# Altium PCB UltraZOhm_CarrierBoard.PcbDoc (part 2 of 12) (continued)
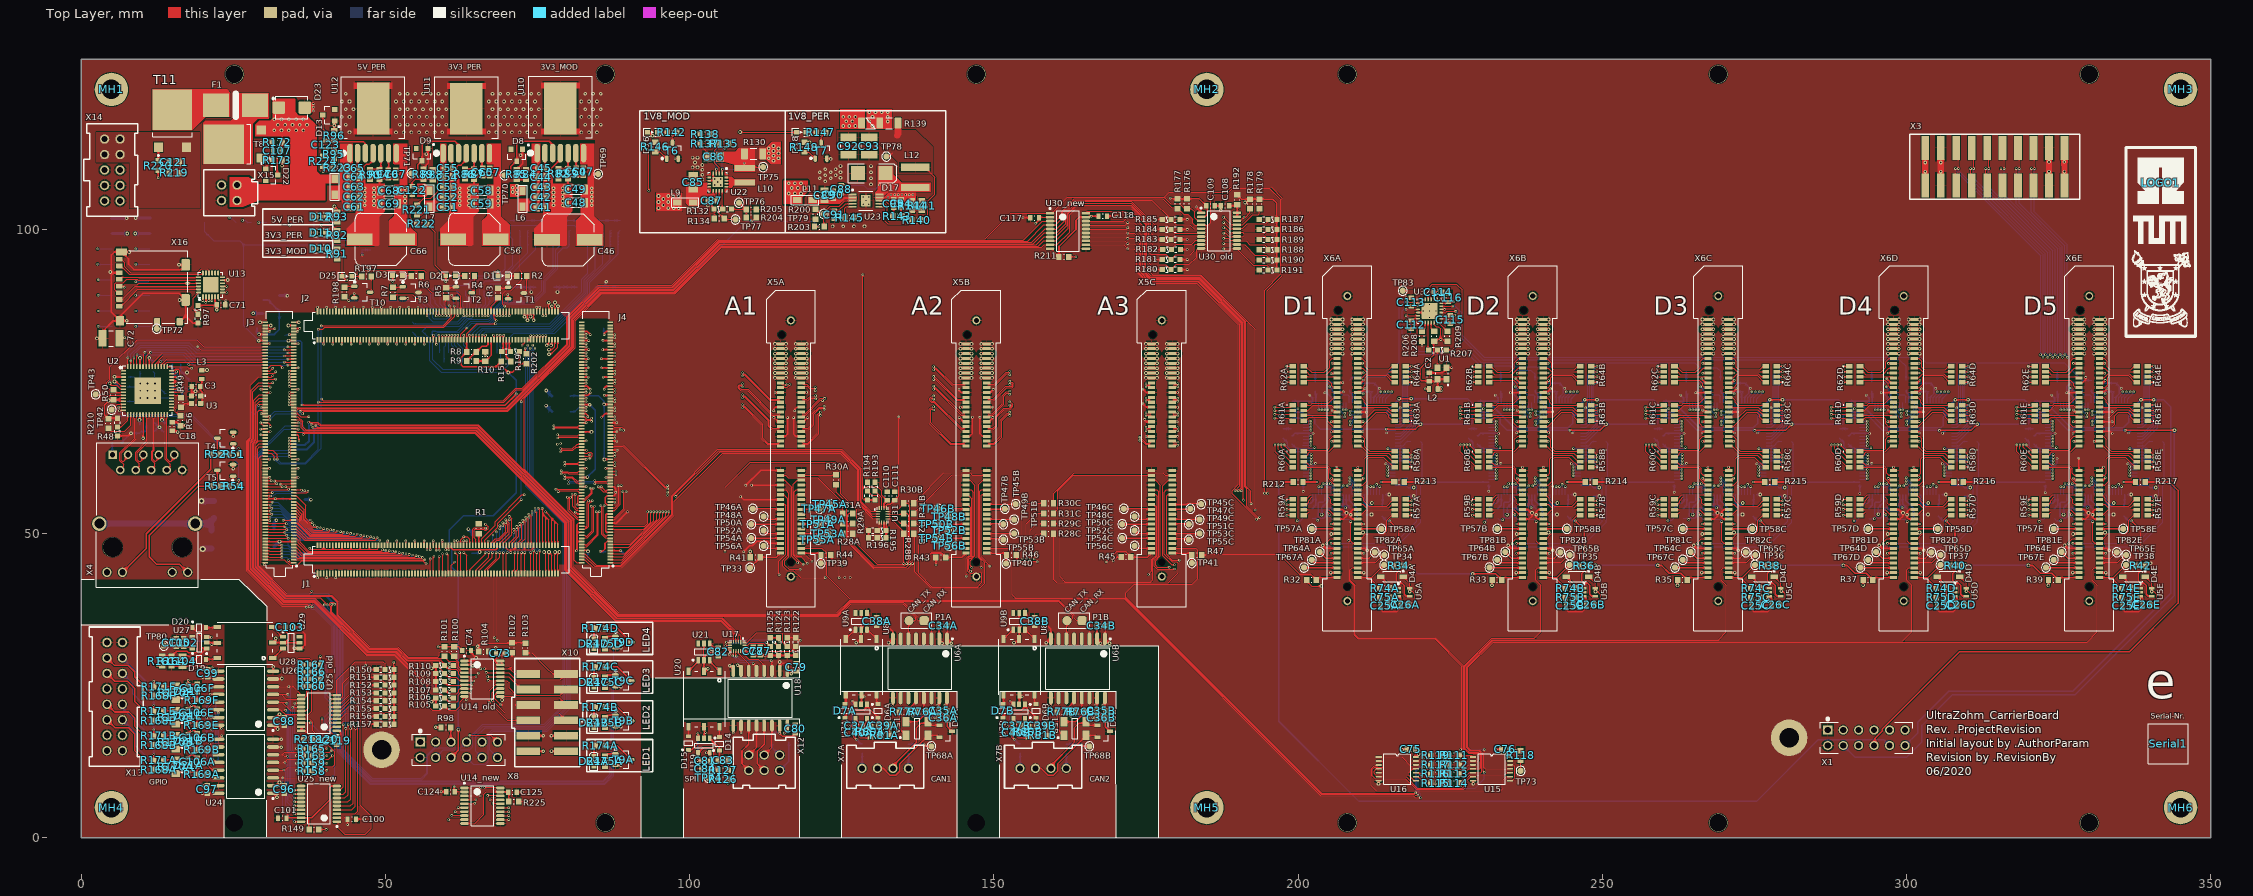
[diagram p0: Top Layer view]
## Components (designator, comment, footprint, x,y, rotation, side; value= is the part's Value field where it differs from the comment) (continued)
TP63B "Testpoint 1mm" TP_1MM 240.157,52.558 r270 bottom (schematic designator TP63)
TP63C "Testpoint 1mm" TP_1MM 270.637,52.558 r270 bottom (schematic designator TP63)
TP63D "Testpoint 1mm" TP_1MM 301.117,52.558 r270 bottom (schematic designator TP63)
TP63E "Testpoint 1mm" TP_1MM 331.597,52.558 r270 bottom (schematic designator TP63)
TP64A "Testpoint 1mm" TP_1MM 202.238,45.712 r90 top (schematic designator TP64)
TP64B "Testpoint 1mm" TP_1MM 232.718,45.712 r90 top (schematic designator TP64)
TP64C "Testpoint 1mm" TP_1MM 263.198,45.712 r90 top (schematic designator TP64)
TP64D "Testpoint 1mm" TP_1MM 293.678,45.712 r90 top (schematic designator TP64)
TP64E "Testpoint 1mm" TP_1MM 324.158,45.712 r90 top (schematic designator TP64)
TP65A "Testpoint 1mm" TP_1MM 214.15,46.5 r90 top (schematic designator TP65)
TP65B "Testpoint 1mm" TP_1MM 244.63,46.5 r90 top (schematic designator TP65)
TP65C "Testpoint 1mm" TP_1MM 275.11,46.5 r90 top (schematic designator TP65)
TP65D "Testpoint 1mm" TP_1MM 305.59,46.5 r90 top (schematic designator TP65)
TP65E "Testpoint 1mm" TP_1MM 336.07,46.5 r90 top (schematic designator TP65)
TP66A "Testpoint 1mm" TP_1MM 208.661,54.082 r270 bottom (schematic designator TP66)
TP66B "Testpoint 1mm" TP_1MM 239.141,54.082 r270 bottom (schematic designator TP66)
TP66C "Testpoint 1mm" TP_1MM 269.621,54.082 r270 bottom (schematic designator TP66)
TP66D "Testpoint 1mm" TP_1MM 300.101,54.082 r270 bottom (schematic designator TP66)
TP66E "Testpoint 1mm" TP_1MM 330.581,54.082 r270 bottom (schematic designator TP66)
TP67A "Testpoint 1mm" TP_1MM 200.968,44.442 r90 top (schematic designator TP67)
TP67B "Testpoint 1mm" TP_1MM 231.448,44.442 r90 top (schematic designator TP67)
TP67C "Testpoint 1mm" TP_1MM 261.928,44.442 r90 top (schematic designator TP67)
TP67D "Testpoint 1mm" TP_1MM 292.408,44.442 r90 top (schematic designator TP67)
TP67E "Testpoint 1mm" TP_1MM 322.888,44.442 r90 top (schematic designator TP67)
TP68A "Testpoint 1mm" TP_1MM 139.739,15.054 r0 top (schematic designator TP68)
TP68B "Testpoint 1mm" TP_1MM 165.691,15.054 r0 top (schematic designator TP68)
TP69 "Testpoint 1mm" TP_1MM 84.972,109.1 r180 top
TP70 "Testpoint 1mm" TP_1MM 69.569,108.9 r180 top
TP71 "Testpoint 1mm" TP_1MM 54.293,109.225 r180 top
TP72 "Testpoint 1mm" TP_1MM 12.445,83.679 r180 top
TP73 "Testpoint 1mm" TP_1MM 236.561,11.027 r90 top
TP74 "Testpoint 1mm" TP_1MM 103.122,9.883 r0 top
TP75 "Testpoint 1mm" TP_1MM 112.091,110.246 r90 top
TP76 "Testpoint 1mm" TP_1MM 108.112,104.386 r90 top
TP77 "Testpoint 1mm" TP_1MM 107.544,101.636 r90 top
TP78 "Testpoint 1mm" TP_1MM 132.335,111.973 r90 top
TP79 "Testpoint 1mm" TP_1MM 122.048,102.55 r90 top
TP80 "Testpoint 1mm" TP_1MM 13.604,31.602 r270 top
TP81A "Testpoint 1mm" TP_1MM 203.549,47 r90 top (schematic designator TP81)
TP81B "Testpoint 1mm" TP_1MM 234.029,47 r90 top (schematic designator TP81)
TP81C "Testpoint 1mm" TP_1MM 264.509,47 r90 top (schematic designator TP81)
TP81D "Testpoint 1mm" TP_1MM 294.989,47 r90 top (schematic designator TP81)
TP81E "Testpoint 1mm" TP_1MM 325.469,47 r90 top (schematic designator TP81)
TP82A "Testpoint 1mm" TP_1MM 212.599,46.95 r90 top (schematic designator TP82)
TP82B "Testpoint 1mm" TP_1MM 243.079,46.95 r90 top (schematic designator TP82)
TP82C "Testpoint 1mm" TP_1MM 273.559,46.95 r90 top (schematic designator TP82)
TP82D "Testpoint 1mm" TP_1MM 304.039,46.95 r90 top (schematic designator TP82)
TP82E "Testpoint 1mm" TP_1MM 334.519,46.95 r90 top (schematic designator TP82)
TP83 "Testpoint 1mm" TP_1MM 217.18,89.923 r270 top
U1 "SiT8924, 4 MHz" 2520_SITIME 223.644,76.329 r180 top
U2 "88E1512-A0-NNP2I000" QFN50P800X800X100-57N 10.935,73.505 r0 top
U3 "SiT8008, 25 MHz" 2016 18.9,72.001 r270 top
U4A "LA4128V-75TN100E" TQFP100_N 208.407,63.988 r0 bottom (schematic designator U4)
U4B "LA4128V-75TN100E" TQFP100_N 238.887,63.988 r0 bottom (schematic designator U4)
U4C "LA4128V-75TN100E" TQFP100_N 269.367,63.988 r0 bottom (schematic designator U4)
U4D "LA4128V-75TN100E" TQFP100_N 299.847,63.988 r0 bottom (schematic designator U4)
U4E "LA4128V-75TN100E" TQFP100_N 330.327,63.988 r0 bottom (schematic designator U4)
U5A "74AHC1G14GW,125" NXP-SOT353-1_N 217.405,40.378 r0 top (schematic designator U5)
U5B "74AHC1G14GW,125" NXP-SOT353-1_N 247.885,40.378 r0 top (schematic designator U5)
U5C "74AHC1G14GW,125" NXP-SOT353-1_N 278.365,40.378 r0 top (schematic designator U5)
U5D "74AHC1G14GW,125" NXP-SOT353-1_N 308.845,40.378 r0 top (schematic designator U5)
U5E "74AHC1G14GW,125" NXP-SOT353-1_N 339.325,40.378 r0 top (schematic designator U5)
U6A "MAX14878" SOIC-16_WIDE-BODY 137.854,27.87 r270 top (schematic designator U6)
U6B "MAX14878" SOIC-16_WIDE-BODY 163.807,27.87 r270 top (schematic designator U6)
U7A "LT1761-BYP" SOT23-5_L 128.202,20.758 r270 top (schematic designator U7)
U7B "LT1761-BYP" SOT23-5_L 154.155,20.758 r270 top (schematic designator U7)
U8A "760390015" WE-760390015 130.742,32.696 r270 top (schematic designator U8)
U8B "760390015" WE-760390015 156.695,32.696 r270 top (schematic designator U8)
U9A "SN6505BDBVT" TI_SOT23_6-LEADS 128.202,35.592 r90 top (schematic designator U9)
U9B "SN6505BDBVT" TI_SOT23_6-LEADS 154.155,35.592 r90 top (schematic designator U9)
U10 "171050601" 7TO-PMOD 78.769,118.249 r90 top
U11 "171050601" 7TO-PMOD 63.315,118.225 r90 top
U12 "171050601" 7TO-PMOD 47.989,118.237 r90 top
U13 "TXS02612RTWR" QFN50P400X400X80-25N-255 21.275,90.899 r90 top
U14_new "TXS0108EQPWRQ1" TI_PW_R-PDSO-G20_N 65.95,5.3 r0 top locked
U14_old "LSF0108-Q1" TI_PW_R-PDSO-G20_N 65.95,26.175 r0 top
U15 "74HC32A" TSSOP14 228.941,13.313 r0 top
U16 "74HC32A" TSSOP14 213.447,13.313 r0 top
U17 "SN74AVC4T774" QFN40P260X180X55-16N 107.821,31.473 r270 top
U18 "ADUM4401" ADI-RW-16_L 111.631,22.964 r270 top
U19 "LT1761-BYP" SOT23-5_L 102.36,15.217 r270 top
U20 "760390015" WE-760390015 104.9,27.409 r270 top
U21 "SN6505BDBVT" TI_SOT23_6-LEADS 102.36,30.584 r90 top
U22 "TPS62097-Q1" QFN-16_TI 104.623,107.782 r270 top
U23 "TPS54260-Q1" TSOP-10_DGQ0010D_N 128.982,104.734 r0 top
U24 "ADUM4402" ADI-RW-16_L 27.066,11.784 r180 top
U25_new "TXS0108EQPWRQ1" TI_PW_R-PDSO-G20_N 39.1,5.6 r180 top locked
U25_old "LSF0108-Q1" TI_PW_R-PDSO-G20_N 39.106,20.547 r180 top
U26 "ADUM4402" ADI-RW-16_L 27.066,22.96 r180 top
U27 "LT1761-BYP" SOT23-5_L 19.446,32.11 r180 top
U28 "760390015" WE-760390015 31.509,29.551 r180 top
U29 "SN6505BDBVT" TI_SOT23_6-LEADS 34.557,32.091 r0 top
U30_new "TXS0108EQPWRQ1" TI_PW_R-PDSO-G20_N 162.179,99.746 r0 top locked
U30_old "LSF0108-Q1" TI_PW_R-PDSO-G20_N 187,99.8 r0 top locked
U31 "SN74AVC4T774" QFN40P260X180X55-16N 131.75,53.035 r0 top
U32 "LMK00105" WQFN24-24_TI 221.604,86.599 r180 top
X1 "TE0790-Base" TE0790-BASE 293.382,16.469 r90 top
X3 "CurrentFootprint" IPL1-110-02-L-D-K 314.487,110.299 r0 top
X4 "7499110123" 7499110123 10.891,53.067 r0 top
X5A "HSEC8-140-01-L-DV-A-BL" HSEC8-140-01-XX-DV-A-BL 116.64,64 r270 top locked (schematic designator X5)
X5B "HSEC8-140-01-L-DV-A-BL" HSEC8-140-01-XX-DV-A-BL 147.12,64 r270 top locked (schematic designator X5)
X5C "HSEC8-140-01-L-DV-A-BL" HSEC8-140-01-XX-DV-A-BL 177.6,64 r270 top locked (schematic designator X5)
X6A "HSEC8-150-01-L-DV-A-BL" HSEC8-150-01-XX-DV-A-BL 208.08,64 r270 top locked (schematic designator X6)
X6B "HSEC8-150-01-L-DV-A-BL" HSEC8-150-01-XX-DV-A-BL 238.56,64 r270 top locked (schematic designator X6)
X6C "HSEC8-150-01-L-DV-A-BL" HSEC8-150-01-XX-DV-A-BL 269.04,64 r270 top locked (schematic designator X6)
X6D "HSEC8-150-01-L-DV-A-BL" HSEC8-150-01-XX-DV-A-BL 299.52,64 r270 top locked (schematic designator X6)
X6E "HSEC8-150-01-L-DV-A-BL" HSEC8-150-01-XX-DV-A-BL 330,64 r270 top locked (schematic designator X6)
X7A "CurrentFootprint" IPL1-104-01-L-S-K 132.143,11.443 r180 top (schematic designator X7)
X7B "CurrentFootprint" IPL1-104-01-L-S-K 158.096,11.443 r180 top (schematic designator X7)
X8 "TE0790-Base" TE0790-BASE 62.086,14.497 r90 top locked
X9 "CurrentFootprint" HTSS-110-01-L-DV 31.75,98.044 r0 bottom
X10 "CurrentFootprint" IPL1-106-02-L-D-K 76.599,20.6 r90 top
X11 "CurrentFootprint" IPL1-108-02-L-D-K 8.218,92.98 r90 bottom
X12 "CurrentFootprint" IPL1-103-01-L-D-K 112.266,12.347 r180 top
X13 "CurrentFootprint" IPL1-108-01-L-D-K 5.522,23.239 r90 top
X14 "CurrentFootprint" IPL1-105-01-L-D-K 5.145,109.77 r270 top locked
X15 "CurrentFootprint" IPL1-102-01-L-D-K 24.374,106.026 r90 top
X16 "microSD Memory Card Connector with Detec" 104031-0811 11.815,90.547 r90 top

## Footprints (in the part's own frame and the unit in brackets; to place one, negate y for a bottom-side part, rotate by r counter-clockwise, add the part's x,y. Pads: shape width x height; smd on the part's side, far side on the other; paste and mask are expansions set on the pad)
7TO-PMOD [mm]
  oval 3.06x0.89 smd: 1(-5.7,3.81) 2(-5.7,2.54) 3(-5.7,1.27) 4(-5.7,0) 5(-5.7,-1.27) 6(-5.7,-2.54) 7(-5.7,-3.81)
  rect 8.54x5.35 smd: 8(1.605,0)
  Top Layer region: -2.665,3.2 -2.665,-3.2 -1.665,-3.2 -1.665,3.2
  Top Layer region: 5.875,-3.2 5.875,3.2 4.875,3.2 4.875,-3.2
  silkscreen extent -6,-5.21 6.89,5.21, body extent -6.89,-5.08 6.88,5.08, height 4.8
0603_CONFIG [mm] "0603 3-Pin Config Footprint"
  rect 0.85x0.85 smd: 1(-1.475,0) 2(-0.025,0) 3(1.425,0)
  silkscreen extent -0.91,-0.43 0.86,0.43, body extent -1.55,-1.14 0.05,0.4, height 2.8
0603_Config [mm] "0603 3-Pin Config Footprint"
  rect 0.85x0.85 smd: 1(-1.475,0) 2(-0.025,0) 3(1.425,0)
  silkscreen extent -0.91,-0.43 0.86,0.43, body extent -1.55,-1.14 0.05,0.4, height 2.8
0805_PTC_FUSE [mm] "Surface Mount PTC, Body 2.0x1.2mm, Height 1.0mm, IPC Medium Density"
  rect 1.15x1.45 smd: 1(-1.1,0) 2(1.1,0)
  silkscreen extent -0.3,-0.62 0.3,0.63, body extent -1.05,-0.67 1.05,0.67, height 0.6
1206_3.2X1.6X1.6MM [mm] "Ceramic Capacitors, 1206, body 3.2x1.6mm"
  rect 0.9x1.6 smd: 1(-1.55,0) 2(1.55,0)
  silkscreen extent -0.95,-0.8 0.95,0.8, body extent -1.6,-0.8 1.6,0.8, height 1.63
1206_CONFIG [mm] "1206 3-Pin Config Footprint"
  rrect20% 1.1x1.8 smd: 1(-3,0) 2(0,0) 3(3,0)
  silkscreen extent -2.05,-0.9 2.3,0.9, body extent -3.1,-0.8 0.1,1.36, height 2.8
2016 [mm]
  rrect20% 0.8x0.9 smd: 1(-0.6,0.75) 2(-0.6,-0.75) 3(0.6,-0.75) 4(0.6,0.75)
  silkscreen extent -0.82,-0.1 0.82,1.6, body extent -0.82,-1.02 0.82,1.03, height 0.81
2520_SITIME [mm] "Standard Clock Oscillators, 2.5mm x 2mm"
  rrect20% 1x1.1 smd: 1(-0.75,0.95) 2(-0.75,-0.95) 3(0.75,-0.95) 4(0.75,0.95)
  silkscreen extent -1.09,-0.1 1.02,2, body extent -0.82,-1.02 0.82,1.03, height 0.81
104031-0811 [mm]
  rrect20% 0.75x1.1 smd: 1(-3.155,5.525) 2(-2.055,5.525) 3(-0.955,5.525) 4(0.145,5.525) 5(1.245,5.525) 6(2.345,5.525) 7(3.445,5.525) 8(4.545,5.525)
  rrect20% 1.2x1 smd: 9(-5.74,-0.7) 10(-5.74,-4.4)
  rrect20% 1.55x1.35 smd: G1(-5.565,5.4)
  rrect20% 1.17x1.8 smd: G2(5.755,5.175)
  rrect20% 1.9x1.35 smd: G3(3.63,-5.375) G4(-2.14,-5.375)
  silkscreen extent -5.97,-5.7 5.98,4.4, body extent -5.98,-5.7 5.97,9.7, height 1.45
7499110123 [mm] "LAN Transformer, body 23.6x16.6mm"
  rect 1.4x1.4 hole 0.89: 1(-5.715,9.94)
  round 1.4 hole 0.89: 2(-4.445,7.4) 3(-3.175,9.94) 4(-1.905,7.4) 5(-0.635,9.94) 6(0.635,7.4) 7(1.905,9.94) 8(3.175,7.4) 9(4.445,9.94) 10(5.715,7.4)
  round 1.52 hole 1.02: 11(-6.635,-9.41) 12(-4.095,-9.41) 13(4.095,-9.41) 14(6.635,-9.41)
  round 3.2 hole 3.2 unplated: MH1(-5.715,-5.3) MH2(5.715,-5.3)
  round 2.4 hole 1.63: S1(-7.875,-1.41) S2(7.875,-1.41)
  silkscreen extent -8.4,-11.9 8.4,11.9, body extent -8.3,-11.8 8.3,11.8, height 17.2
416131160804 [mm] "04p, 1.27mm Pitch, Horizontal, HP Type, SMT, flat Actuator, black, with Tape, T&R"
  rect 0.76x1.27 smd: 1(-1.905,-3.81) 2(-0.635,-3.81) 3(0.635,-3.81) 4(1.905,-3.81) 5(1.905,3.81) 6(0.635,3.81) 7(-0.635,3.81) 8(-1.905,3.81)
  silkscreen extent -3.11,-3.66 3.06,2.8, body extent -3.06,-4 3.06,4, height 2.06
ADI-RW-16_L [mm] "SOIC, 16-Leads, Body 10.3x7.5mm, Pitch 1.27mm, IPC High Density"
  oval 2x0.6 smd: 1(-4.5,4.445) 2(-4.5,3.175) 3(-4.5,1.905) 4(-4.5,0.635) 5(-4.5,-0.635) 6(-4.5,-1.905) 7(-4.5,-3.175) 8(-4.5,-4.445) 9(4.5,-4.445) 10(4.5,-3.175) 11(4.5,-1.905) 12(4.5,-0.635) 13(4.5,0.635) 14(4.5,1.905) 15(4.5,3.175) 16(4.5,4.445)
  silkscreen extent -4.62,-5.25 3.1,5.42, body extent -3.8,-5.25 3.8,5.25, height 2.65
C_0603(1608)100_L [mm] "Chip Capacitor, Body 1.6x0.8mm, Height 1.0mm, IPC High Density"
  rect 0.7x0.9 smd: 1(-0.7,0) 2(0.7,0)
  silkscreen extent -0.05,-0.35 0.05,0.35, body extent -0.87,-0.47 0.88,0.48, height 1
C_0603_L_HIGHDENSITY [mm] "Chip Capacitor, Body 1.6x0.8mm, Height 1.0mm, IPC High Density"
  rect 0.7x0.9 smd: 1(-0.7,0) 2(0.7,0)
  silkscreen extent -0.05,-0.35 0.05,0.35, body extent -0.87,-0.47 0.88,0.48, height 1
C_1206 [mm]
  rrect33% 1.21x1.82 smd: 1(1.45,0) 2(-1.45,0)
  silkscreen extent -0.5,-0.9 0.5,0.9, body extent -1.6,-0.81 1.6,0.81, height 1.82
C_1210_N [mm] "Chip Capacitor, 2-Leads, Body 3.4x2.7mm, IPC Medium Density"
  rect 1.3x2.7 smd: 1(-1.4,0) 2(1.4,0)
  silkscreen extent -0.35,-1.25 0.35,1.25, body extent -1.7,-1.35 1.7,1.35, height 2.8
CAPC0805(2012)145_L [mm] "Chip Capacitor, Body 2.0x1.2mm, Height 1.45mm, IPC High Density"
  rect 0.95x1.35 smd: 1(-0.8,0) 2(0.8,0)
  silkscreen extent -0.05,-0.58 0.05,0.58, body extent -1.1,-0.72 1.1,0.72, height 1.45
CAPC0805(2012)145_M [mm] "Chip Capacitor, Body 2.0x1.2mm, Height 1.45mm, IPC Low Density"
  rect 1.35x1.55 smd: 1(-1,0) 2(1,0)
  silkscreen extent -0.05,-0.67 0.05,0.67, body extent -1.1,-0.72 1.1,0.72, height 1.45
COIL-XAL5050 [mm] "SMD, 2-Leads, Body 5.68x5.48mm, Pitch 3.31mm"
  rect 1.18x4.7 smd paste+0: 1(-1.655,0) 2(1.655,0)
  body extent -2.74,-2.84 2.74,2.84, height 5
COIL-XFL4020_V [mm] "SMD, 2-Leads, Body 4x4mm, Pitch 2.37mm"
  rect 0.98x3.4 smd paste+0: 1(-1.185,0) 2(1.185,0)
  body extent -2,-2 2,2, height 2.1
DIOD-SOD-123-2_V [mm] "SOD-123, 2-Leads, Body 2.85x1.7mm (max), Pitch 3.7mm"
  rect 1.2x0.7 smd: 1(-1.85,0) 2(1.85,0)
  silkscreen extent -1.43,-0.85 1.97,1.02, body extent -1.42,-0.85 1.43,0.85, height 1.45
DIOM5236X261N [mm]
  rrect20% 2.06x2.04 smd: 1(-2.135,0) 2(2.135,0)
  silkscreen extent -3.2,-1.87 2.65,1.87, body extent -2.65,-1.85 2.65,1.85, height 2.2
HDR1X2_SMD [mm] "SMD Connector; Header; 2 Position"
  rrect50% 1.5x1.5 smd: 1(0,0)
  round 1.5 smd: 2(2.5,0)
  silkscreen extent -1.27,-1.27 3.81,1.27
HSEC8-140-01-XX-DV-A-BL [mm]
  rect 0.5x1.2 smd mask+0.05: 1(-17.2,-1.7) 2(-17.2,1.7) 3(-16.4,-1.7) 4(-16.4,1.7) 5(-15.6,-1.7) 6(-15.6,1.7) 7(-14.8,-1.7) 8(-14.8,1.7) 9(-14,-1.7) 10(-14,1.7) 11(-13.2,-1.7) 12(-13.2,1.7) 13(-12.4,-1.7) 14(-12.4,1.7) 15(-11.6,-1.7) 16(-11.6,1.7) 17(-10.8,-1.7) 18(-10.8,1.7) 19(-10,-1.7) 20(-10,1.7) 21(-9.2,-1.7) 22(-9.2,1.7) 23(-8.4,-1.7) 24(-8.4,1.7) 25(-7.6,-1.7) 26(-7.6,1.7) 27(-6.8,-1.7) 28(-6.8,1.7) 29(-6,-1.7) 30(-6,1.7) 31(-5.2,-1.7) 32(-5.2,1.7) 33(-4.4,-1.7) 34(-4.4,1.7) 35(-3.6,-1.7) 36(-3.6,1.7) 37(-2.8,-1.7) 38(-2.8,1.7) 39(-2,-1.7) 40(-2,1.7) 41(-1.2,-1.7) 42(-1.2,1.7) 43(-0.4,-1.7) 44(-0.4,1.7) 45(3.6,-1.7) 46(3.6,1.7) 47(4.4,-1.7) 48(4.4,1.7) 49(5.2,-1.7) 50(5.2,1.7) 51(6,-1.7) 52(6,1.7) 53(6.8,-1.7) 54(6.8,1.7) 55(7.6,-1.7) 56(7.6,1.7) 57(8.4,-1.7) 58(8.4,1.7) 59(9.2,-1.7) 60(9.2,1.7) 61(10,-1.7) 62(10,1.7) 63(10.8,-1.7) 64(10.8,1.7) 65(11.6,-1.7) 66(11.6,1.7) 67(12.4,-1.7) 68(12.4,1.7) 69(13.2,-1.7) 70(13.2,1.7) 71(14,-1.7) 72(14,1.7) 73(14.8,-1.7) 74(14.8,1.7) 75(15.6,-1.7) 76(15.6,1.7) 77(16.4,-1.7) 78(16.4,1.7) 79(17.2,-1.7) 80(17.2,1.7)
  round 1.3 hole 0.84 mask+0.075: G1(-21.05,0) G2(21.05,0)
  round 0 hole 1.27 unplated: MH1(-18.7,-1.5) MH2(18.7,0)
  silkscreen extent -26.03,-4 26.03,4, body extent -25.52,-3.5 25.53,3.5, height 12.2
HSEC8-150-01-XX-DV-A-BL [mm]
  rect 0.5x1.2 smd mask+0.05: 1(-21.2,-1.7) 2(-21.2,1.7) 3(-20.4,-1.7) 4(-20.4,1.7) 5(-19.6,-1.7) 6(-19.6,1.7) 7(-18.8,-1.7) 8(-18.8,1.7) 9(-18,-1.7) 10(-18,1.7) 11(-17.2,-1.7) 12(-17.2,1.7) 13(-16.4,-1.7) 14(-16.4,1.7) 15(-15.6,-1.7) 16(-15.6,1.7) 17(-14.8,-1.7) 18(-14.8,1.7) 19(-14,-1.7) 20(-14,1.7) 21(-13.2,-1.7) 22(-13.2,1.7) 23(-12.4,-1.7) 24(-12.4,1.7) 25(-11.6,-1.7) 26(-11.6,1.7) 27(-10.8,-1.7) 28(-10.8,1.7) 29(-10,-1.7) 30(-10,1.7) 31(-9.2,-1.7) 32(-9.2,1.7) 33(-8.4,-1.7) 34(-8.4,1.7) 35(-7.6,-1.7) 36(-7.6,1.7) 37(-6.8,-1.7) 38(-6.8,1.7) 39(-6,-1.7) 40(-6,1.7) 41(-5.2,-1.7) 42(-5.2,1.7) 43(-4.4,-1.7) 44(-4.4,1.7) 45(-3.6,-1.7) 46(-3.6,1.7) 47(-2.8,-1.7) 48(-2.8,1.7) 49(-2,-1.7) 50(-2,1.7) 51(-1.2,-1.7) 52(-1.2,1.7) 53(-0.4,-1.7) 54(-0.4,1.7) 55(3.6,-1.7) 56(3.6,1.7) 57(4.4,-1.7) 58(4.4,1.7) 59(5.2,-1.7) 60(5.2,1.7) 61(6,-1.7) 62(6,1.7) 63(6.8,-1.7) 64(6.8,1.7) 65(7.6,-1.7) 66(7.6,1.7) 67(8.4,-1.7) 68(8.4,1.7) 69(9.2,-1.7) 70(9.2,1.7) 71(10,-1.7) 72(10,1.7) 73(10.8,-1.7) 74(10.8,1.7) 75(11.6,-1.7) 76(11.6,1.7) 77(12.4,-1.7) 78(12.4,1.7) 79(13.2,-1.7) 80(13.2,1.7) 81(14,-1.7) 82(14,1.7) 83(14.8,-1.7) 84(14.8,1.7) 85(15.6,-1.7) 86(15.6,1.7) 87(16.4,-1.7) 88(16.4,1.7) 89(17.2,-1.7) 90(17.2,1.7) 91(18,-1.7) 92(18,1.7) 93(18.8,-1.7) 94(18.8,1.7) 95(19.6,-1.7) 96(19.6,1.7) 97(20.4,-1.7) 98(20.4,1.7) 99(21.2,-1.7) 100(21.2,1.7)
  round 1.3 hole 0.84 mask+0.075: G1(-25.05,0) G2(25.05,0)
  round 0 hole 1.27 unplated: MH1(-22.7,-1.5) MH2(22.7,0)
  silkscreen extent -30,-4 29.97,4, body extent -29.52,-3.5 29.53,3.5, height 12.2
HTSS-110-01-L-DV [mil]
  rect 50x155 smd mask+2: 1(-450,-122.5) 2(-450,122.5) 3(-350,-122.5) 4(-350,122.5) 5(-250,-122.5) 6(-250,122.5) 7(-150,-122.5) 8(-150,122.5) 9(-50,-122.5) 10(-50,122.5) 11(50,-122.5) 12(50,122.5) 13(150,-122.5) 14(150,122.5) 15(250,-122.5) 16(250,122.5) 17(350,-122.5) 18(350,122.5) 19(450,-122.5) 20(450,122.5)
  silkscreen extent -590,-250 590,240, body extent -575,-220 575,220, height 400
INDC1608X95N [mm]
  rrect33% 0.7x0.95 smd: 1(-0.71,0) 2(0.71,0)
  body extent -0.8,-0.48 0.8,0.47, height 0.8
IPL1-102-01-L-D-K [mil]
  round 60 hole 40 mask+3: 1(-50,50) 2(50,50) 3(-50,-50) 4(50,-50)
  silkscreen extent -150,-185 150,165, body extent -130,-165 130,145, height 320
IPL1-103-01-L-D-K [mil]
  round 60 hole 40 mask+3: 1(-100,50) 2(0,50) 3(100,50) 4(-100,-50) 5(0,-50) 6(100,-50)
  silkscreen extent -200,-185 200,165, body extent -180,-165 180,145, height 320
IPL1-104-01-L-S-K [mil]
  round 60 hole 40 mask+3: 1(-150,0) 2(-50,0) 3(50,0) 4(150,0)
  silkscreen extent -250,-170 250,130, body extent -230,-150 230,110, height 320
IPL1-105-01-L-D-K [mil]
  round 60 hole 40 mask+3: 1(-200,50) 2(-100,50) 3(0,50) 4(100,50) 5(200,50) 6(-200,-50) 7(-100,-50) 8(0,-50) 9(100,-50) 10(200,-50)
  silkscreen extent -300,-185 300,165, body extent -280,-165 280,145, height 320
IPL1-106-02-L-D-K [mil]
  rect 50x155 smd mask+2: 1(-250,122.5) 2(-150,122.5) 3(-50,122.5) 4(50,122.5) 5(150,122.5) 6(250,122.5) 7(-250,-122.5) 8(-150,-122.5) 9(-50,-122.5) 10(50,-122.5) 11(150,-122.5) 12(250,-122.5)
  silkscreen extent -350,-230 350,230, body extent -330,-188 330,189, height 320
IPL1-108-01-L-D-K [mil]
  round 60 hole 40 mask+3: 1(-350,50) 2(-250,50) 3(-150,50) 4(-50,50) 5(50,50) 6(150,50) 7(250,50) 8(350,50) 9(-350,-50) 10(-250,-50) 11(-150,-50) 12(-50,-50) 13(50,-50) 14(150,-50) 15(250,-50) 16(350,-50)
  silkscreen extent -450,-185 450,165, body extent -430,-165 430,145, height 320
IPL1-108-02-L-D-K [mil]
  rect 50x155 smd mask+2: 1(-350,122.5) 2(-250,122.5) 3(-150,122.5) 4(-50,122.5) 5(50,122.5) 6(150,122.5) 7(250,122.5) 8(350,122.5) 9(-350,-122.5) 10(-250,-122.5) 11(-150,-122.5) 12(-50,-122.5) 13(50,-122.5) 14(150,-122.5) 15(250,-122.5) 16(350,-122.5)
  silkscreen extent -450,-230 450,230, body extent -430,-189 430,189, height 320
IPL1-110-02-L-D-K [mil]
  rect 50x155 smd mask+2: 1(-450,122.5) 2(-350,122.5) 3(-250,122.5) 4(-150,122.5) 5(-50,122.5) 6(50,122.5) 7(150,122.5) 8(250,122.5) 9(350,122.5) 10(450,122.5) 11(-450,-122.5) 12(-350,-122.5) 13(-250,-122.5) 14(-150,-122.5) 15(-50,-122.5) 16(50,-122.5) 17(150,-122.5) 18(250,-122.5) 19(350,-122.5) 20(450,-122.5)
  silkscreen extent -550,-210 550,210, body extent -530,-188 530,189, height 345
L_1008 [mm]
  rrect33% 1.24x2.22 smd: 1(1.09,0) 2(-1.09,0)
  body extent -1.25,-1 1.25,1, height 0.9
LITTLEFUSE_154 [mm]
  rect 4.24x3.81 smd: 1(0,0) 2(6.4,0)
  silkscreen extent 3.17,-1.9 3.18,1.91, body extent -1.66,-2.49 8.04,2.51, height 3.71
LOGO_PARTNERS_1 [mm] "THN, TUM and USACH Logo"
  silkscreen extent -4.69,-23.68 4.93,4.11
MHOLE3_2MM [mm]
  round 5.5 hole 3.2: hole(0,0)
  body extent -3.75,-3.75 3.75,3.75, height 2.33
NXP-SOT353-1_N [mm] "TSSOP, 5-Leads, Body 2.25x1.35mm, Pitch 0.65mm, IPC Medium Density"
  rect 0.9x0.35 smd: 1(-0.95,0.65) 2(-0.95,0) 3(-0.95,-0.65) 4(0.95,-0.65) 5(0.95,0.65)
  silkscreen extent -1.07,1.25 -0.82,1.5, body extent -0.67,-1.12 0.67,1.13, height 1.1
ONSC-ATPAK [mm] "DPAK, 3-Leads, Body 7.3x6.5mm, Pitch 2.3mm"
  rect 1.6x1.5 smd: 1(-6.15,2.3) 3(-6.15,-2.3)
  rect 6.7x6.5 smd: 4(0,0)
  silkscreen extent -7.63,-3.25 -3.75,3.25, body extent -4.45,-3.25 2.85,3.25, height 1.77
PNSC-EXB-38V103JV-8_M [mm] "Chip Array, ConvexS, 8-Leads, Pitch 0.80mm, Body 3.40x1.75mm, IPC Low Density"
  rect 1.1x0.75 smd: 1(-0.9,1.3) 4(-0.9,-1.3) 5(0.9,-1.3) 8(0.9,1.3)
  rect 1.1x0.55 smd: 2(-0.9,0.4) 3(-0.9,-0.4) 6(0.9,-0.4) 7(0.9,0.4)
  silkscreen extent -1.9,1.25 -1.8,1.35, body extent -0.87,-1.7 0.87,1.7, height 0.6
QFN40P260X180X55-16N [mm]
  rrect20% 0.75x0.2 smd: 1(-0.725,0.6)
  rrect20% 0.65x0.2 smd: 2(-0.775,0.2) 3(-0.775,-0.2) 4(-0.775,-0.6) 9(0.775,-0.6) 10(0.775,-0.2) 11(0.775,0.2) 12(0.775,0.6)
  rrect20% 0.2x0.65 smd: 5(-0.6,-1.175) 6(-0.2,-1.175) 7(0.2,-1.175) 8(0.6,-1.175) 13(0.6,1.175) 14(0.2,1.175) 15(-0.2,1.175) 16(-0.6,1.175)
  silkscreen extent -1.4,-1.3 0.9,1.3, body extent -0.93,-1.33 0.93,1.33, height 0.56
QFN50P400X400X80-25N-255 [mm] "QFN, 24-Leads, Body 4,1x4,1mm (max), Pitch 0,50mm, IPC Medium Density"
  oval 0.85x0.3 smd: 1(-1.95,1.25) 2(-1.95,0.75) 3(-1.95,0.25) 4(-1.95,-0.25) 5(-1.95,-0.75) 6(-1.95,-1.25) 13(1.95,-1.25) 14(1.95,-0.75) 15(1.95,-0.25) 16(1.95,0.25) 17(1.95,0.75) 18(1.95,1.25)
  oval 0.3x0.85 smd: 7(-1.25,-1.95) 8(-0.75,-1.95) 9(-0.25,-1.95) 10(0.25,-1.95) 11(0.75,-1.95) 12(1.25,-1.95) 19(1.25,1.95) 20(0.75,1.95) 21(0.25,1.95) 22(-0.25,1.95) 23(-0.75,1.95) 24(-1.25,1.95)
  rect 2.55x2.55 smd: 25(0,0)
  silkscreen extent -2.55,-2.05 2.05,2.05, body extent -2,-2 2,2, height 1
QFN50P800X800X100-57N [mm]
  oval 0.84x0.26 smd: 1(-3.94,3.25) 2(-3.94,2.75) 3(-3.94,2.25) 4(-3.94,1.75) 5(-3.94,1.25) 6(-3.94,0.75) 7(-3.94,0.25) 8(-3.94,-0.25) 9(-3.94,-0.75) 10(-3.94,-1.25) 11(-3.94,-1.75) 12(-3.94,-2.25) 13(-3.94,-2.75) 14(-3.94,-3.25) 29(3.94,-3.25) 30(3.94,-2.75) 31(3.94,-2.25) 32(3.94,-1.75) 33(3.94,-1.25) 34(3.94,-0.75) 35(3.94,-0.25) 36(3.94,0.25) 37(3.94,0.75) 38(3.94,1.25) 39(3.94,1.75) 40(3.94,2.25) 41(3.94,2.75) 42(3.94,3.25)
  oval 0.26x0.84 smd: 15(-3.25,-3.94) 16(-2.75,-3.94) 17(-2.25,-3.94) 18(-1.75,-3.94) 19(-1.25,-3.94) 20(-0.75,-3.94) 21(-0.25,-3.94) 22(0.25,-3.94) 23(0.75,-3.94) 24(1.25,-3.94) 25(1.75,-3.94) 26(2.25,-3.94) 27(2.75,-3.94) 28(3.25,-3.94) 43(3.25,3.94) 44(2.75,3.94) 45(2.25,3.94) 46(1.75,3.94) 47(1.25,3.94) 48(0.75,3.94) 49(0.25,3.94) 50(-0.25,3.94) 51(-0.75,3.94) 52(-1.25,3.94) 53(-1.75,3.94) 54(-2.25,3.94) 55(-2.75,3.94) 56(-3.25,3.94)
  rect 4.37x4.37 smd: 57(0,0)
  silkscreen extent -4.6,-4.06 4.06,4.06, body extent -4.01,-4.02 4.01,4.01, height 0.94
QFN-16_TI [mm] "QFN, 16-Leads, Body 3x3mm, Pitch 0.5mm, Thermal Pad 1.65x1.65mm"
  rrect40% 0.6x0.25 smd: 1(-1.4,0.75) 2(-1.4,0.25) 3(-1.4,-0.25) 4(-1.4,-0.75) 9(1.4,-0.75) 10(1.4,-0.25) 11(1.4,0.25) 12(1.4,0.75)
  rrect40% 0.25x0.6 smd: 5(-0.75,-1.4) 6(-0.25,-1.4) 7(0.25,-1.4) 8(0.75,-1.4) 13(0.75,1.4) 14(0.25,1.4) 15(-0.25,1.4) 16(-0.75,1.4)
  rrect6% 1.55x1.55 on Top Paste: 17(0,0)
  rrect6% 1.7x1.7 smd paste-0.85: 17(0,0)
  Top Layer region: -1.118,1.118 -1.118,1.693 -1.318,1.693 -1.318,1.318 -1.693,1.318 -1.693,1.118
  Top Layer region: -1.118,-1.118 -1.693,-1.118 -1.693,-1.318 -1.318,-1.318 -1.318,-1.694 -1.118,-1.694
  Top Layer region: 1.118,-1.118 1.693,-1.118 1.693,-1.318 1.318,-1.318 1.318,-1.694 1.118,-1.694
  Top Layer region: 1.118,1.118 1.118,1.693 1.318,1.693 1.318,1.318 1.693,1.318 1.693,1.118
  silkscreen extent -2.35,-1.57 1.57,1.58, body extent -1.5,-1.5 1.5,1.5, height 1
R_0603_N#1 [mm] "SMD Resistor, Body 1.6x0.8mm, IPC Medium Density"
  rect 0.9x1 smd: 1(-0.8,0) 2(0.8,0)
  silkscreen extent -0.05,-0.4 0.05,0.4, body extent -0.85,-0.47 0.85,0.47, height 0.6
R_0603_N#2 [mm] "SMD Resistor, Body 1.6x0.8mm, IPC Medium Density"
  rect 1x0.9 smd: 1(-0.8,0)
  rect 0.9x1 smd: 2(0.8,0)
  silkscreen extent -0.05,-0.4 0.05,0.4, body extent -0.85,-0.47 0.85,0.47, height 0.6
RESC3216X65N [mm] "Vishay D1206 3.2 x 1.6 (+/- 0.15), 0.2mm - 0.6mm Kontakte"
  rrect20% 1.1x1.8 smd: 1(-1.5,0) 2(1.5,0)
  silkscreen extent -0.55,-0.9 0.55,0.9, body extent -1.6,-0.8 1.6,0.8, height 0.55
SERIAL_6.3X6.3MM [mm]
  silkscreen extent -3.3,-3.3 3.3,3.3
SMB [mm] "DO-214-AA/SMB; 2 C-Bend Leads; Body 5.3 x 3.6 mm, inc. leads (LxW)"
  rect 2.3x2.3 smd: 1(2.25,0) 2(-2.25,0)
  silkscreen extent -3.8,-1.55 4.1,1.55, body extent -2.52,-1.97 2.52,1.98, height 2.47
SOD-323_STMICROELECTRONICS [mm] "SOD, 2-Leads, Body 1.7x1.25mm"
  rect 0.63x0.83 smd: 1(-1.115,0) 2(1.115,0)
  silkscreen extent -1.24,-0.67 0.4,1.09, body extent -0.85,-0.63 0.85,0.63, height 1.06
SOIC-16_WIDE-BODY [mm] "SOIC, 16-Leads, Body 10.5x7.6mm, Pitch 1.27mm, IPC Low Density"
  oval 2.1x0.65 smd: 1(-4.85,4.445) 2(-4.85,3.175) 3(-4.85,1.905) 4(-4.85,0.635) 5(-4.85,-0.635) 6(-4.85,-1.905) 7(-4.85,-3.175) 8(-4.85,-4.445) 9(4.85,-4.445) 10(4.85,-3.175) 11(4.85,-1.905) 12(4.85,-0.635) 13(4.85,0.635) 14(4.85,1.905) 15(4.85,3.175) 16(4.85,4.445)
  silkscreen extent -4.97,-5.25 3.4,5.45, body extent -5.16,-5.25 5.16,5.25, height 2.65
SOT23-5_L [mm] "SOT23, 5-Leads, Body 2.9x1.6mm, Pitch 0.95mm, Lead Span 2.8mm, IPC High Density"
  rect 0.9x0.65 smd: 1(-1.2,0.95) 2(-1.2,0) 3(-1.2,-0.95) 4(1.2,-0.95) 5(1.2,0.95)
  silkscreen extent -1.32,-1.5 0.35,1.95, body extent -0.87,-1.5 0.87,1.5, height 1.45
SOT95P280X145-3N [mm] "SOT23, 3-Leads, Body 3,0x3,0mm (max), Pitch 0,95mm, IPC Medium Density"
  oval 1.1x0.6 smd: 1(-1.3,0.95) 2(-1.3,-0.95) 3(1.3,0)
  silkscreen extent -1.4,-1.45 0.85,1.82, body extent -1.25,-1.46 1.23,1.46, height 1.01
SOT-23-3 [mm] "3-pin SOT-23"
  rect 1x0.55 smd: 1(-1.025,1) 2(-1.025,-1) 3(1.025,0)
  silkscreen extent -0.12,-1.55 0.7,1.55, body extent -1.25,-1.5 1.29,1.5, height 1.1
SOT-23-3_ONSC [mm] "SOT23, 3-Leads, Body 2.92x1.3mm, Pitch 0.95mm"
  rect 0.9x0.8 smd: 1(-1,0.95) 2(-1,-0.95) 3(1,0)
  silkscreen extent -1.77,-1.46 0.65,2.03, body extent -0.65,-1.46 0.65,1.46, height 1.11